# Altium PCB Radio.PcbDoc (part 2 of 3)
Units mil, origin at the board's own origin, x right, y up, seen from the top; angles counter-clockwise.
Board outline 3937.01 x 3937.01 mil, 2 copper layers (Top Layer, Bottom Layer); 220 components, 164 nets, 1023 pads, 256 vias.
Unrouted connection lines stored in the file: 24.
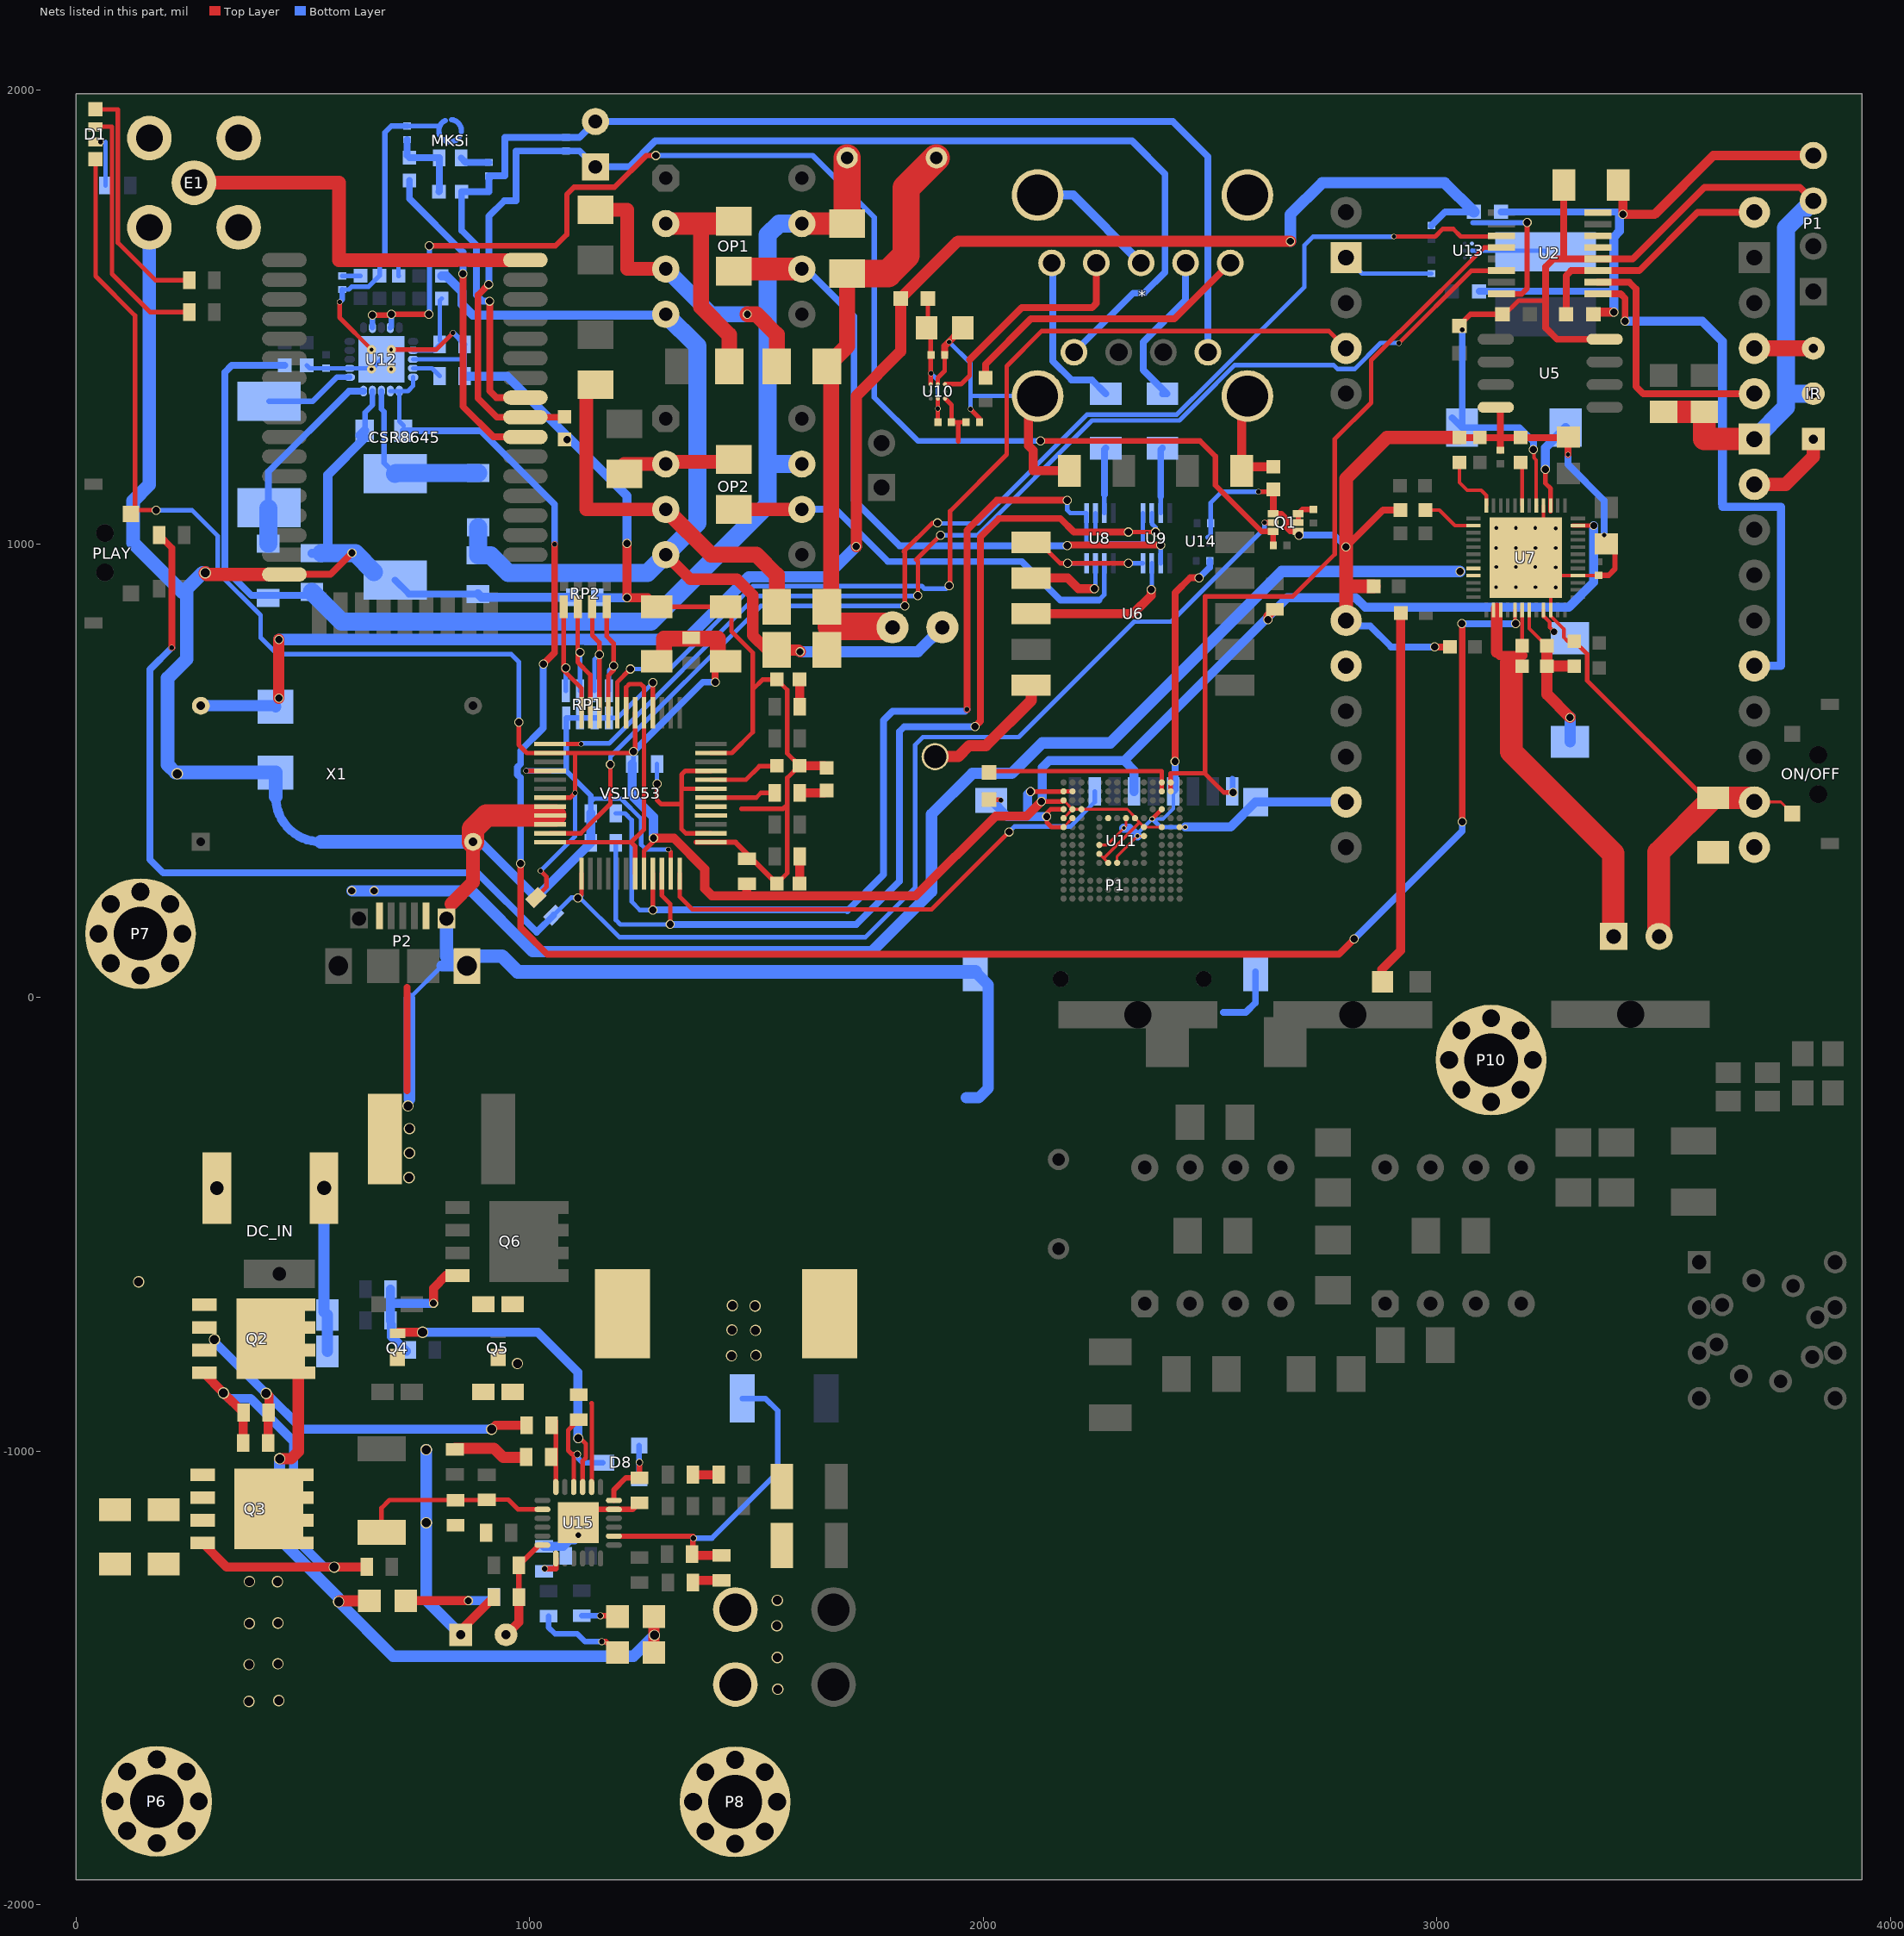
[diagram p2: the nets of this part, all layers, seen from the top]

## Via types
v1: diameter 20, hole 16, Top Layer to Bottom Layer, 113 vias
v2: diameter 25, hole 20, Top Layer to Bottom Layer, 58 vias
v3: diameter 12, hole 10, Top Layer to Bottom Layer, 35 vias
v4: diameter 19.68, hole 7.87, Top Layer to Bottom Layer, 20 vias
v5: diameter 15, hole 12, Top Layer to Bottom Layer, 13 vias
v6: diameter 12, hole 8, Top Layer to Bottom Layer, 6 vias
v7: diameter 16, hole 13, Top Layer to Bottom Layer, 3 vias
v8: diameter 20, hole 15, Top Layer to Bottom Layer, 3 vias
v9: diameter 22, hole 18, Top Layer to Bottom Layer, 1 vias
v10: diameter 14, hole 10, Top Layer to Bottom Layer, 1 vias
v11: diameter 16, hole 14, Top Layer to Bottom Layer, 1 vias
v12: diameter 18, hole 15, Top Layer to Bottom Layer, 1 vias
v13: diameter 78.74, hole 78.74, Top Layer to Bottom Layer, 1 vias

## Nets (pads, with @x,y where several pads share a name; then routed paths per layer and width w, separated by ;. In a path a pad name is that pad's centre, name@x,y a point inside that pad or via, vN(x,y) a via of type N, cw(c..) or ccw(c..) an arc to the next point about the centre after c; other vN are vias at no path point)
1V8: VS1053.5 VS1053.7 VS1053.24 VS1053.31 | length 706
  Top Layer w10: VS1053.24@1045.41,342.08 1223.92,342.08 ; VS1053.7@1212.74,627.52 1212.74,683.74 1220,691 1245,691 1252.11,683.89 VS1053.5@1252.11,627.52 1252.11,370.27 1223.92,342.08 ; VS1053.31@1232.42,273.19 1232.42,333.58 1223.92,342.08
3V3: C3.1 C4.1 C13.1 D1.1 P1.4@2332.55,454.31 PLAY.1 R9.1 R31.1 R32.2 R33.2 U7.11 U11.C6 U11.E6 U11.F5 U11.J10 U11.K9 U11.M4 U11.N4 U11.P3 U11.P5 VS1053.6 VS1053.14 VS1053.19 VS1053.32 | length 6910.4
  Top Layer w6: U11.P5@2177.05,395.21 U11.N4@2196.73,414.9 ; U11.P3@2177.05,434.58 U11.N4@2196.73,414.9 ; U11.K9@2255.79,316.47 2265.63,306.63 U11.J10@2275.47,296.79 ; U11.C6@2393.58,375.53 U11.E6@2354.21,375.53 2344.37,385.37 U11.F5@2334.53,395.21 2334.53,398 2317.63,414.9 U11.M4@2216.42,414.9 U11.N4@2196.73,414.9
  Top Layer w7: 2265.63,306.63 2344.37,385.37
  Top Layer w9: U7.11@3299,1040.21 U7.11@3310.98,1040.21 v12(3346,1040.21)
  Top Layer w10: D1.1@43.02,1847.61 43.02,1589.98 130,1503 130,1074.32 176.68,1074.32 v1(177,1074) ; v1(976,607) 976,557 994.07,538.93 VS1053.14@1045.41,538.93 1100,538.93 ; R33.2@1013.7,220.23 1037,243.52 1037,266 v3(1024,279) ; VS1053.19@1045.41,440.51 1089.51,440.51 v3(1100,451) 1100,538.93 ; VS1053.6@1232.42,627.52 1232.42,545.42 v1(1229.18,542.18) 1225.93,538.93 1100,538.93 ; VS1053.32@1252.11,273.19 1252.11,323.11 1273,344 v1(1273,351) ; 1479,224.92 1480,223.92 ; v1(2128,432) 2174.47,432 U11.P3@2177.05,434.58
  Top Layer w15: v1(1409,695) 1409,735 C4.1@1415,741
  Top Layer w20: v1(1273,351) 1318,351 1386,283 1386,240 1402.08,223.92 1480,223.92 1851.08,223.92 2027.17,400 2096,400 v1(2128,432) ; 1479,224.92 C13.1@1479,251 ; v1@2628,834 2628,841 R9.1@2643,856
  Top Layer w35: C3.1@1280,741 1296,757 1296,791.12 1415,791.12 C4.1@1415,741
  Bottom Layer w10: v1(177,1074) 256,1074 312.5,1017.5 312.5,937 407,842.5 407,793 443,757 959,757 976,740 v1(976,607) ; v3(1024,279) 1100,355 v3(1100,451) ; R31.1@1220.61,514.54 1229,522.93 v1@1229,542 ; v1@1225.93,538.93 v1@1229,542 ; v1(1229.18,542.18) v1@1229,542
  Bottom Layer w15: v1(1229.18,542.18) 1382,695 v1(1409,695)
  Bottom Layer w20: R31.1@1225.61,514.54 1225.61,445.39 1273,398 v1(1273,351) ; v1(2128,432) 2130,434 2130,507 2145,522 2311,522 ; P1.4@2332.55,454.31 2332.55,500.45 2311,522 ; v12(3346,1040.21) 3346,915 3291,860 2842.42,860 2820.92,881.5 2670.5,881.5 2311,522
  other v1: 2628,833
"3V3 ESP": C14.1 C15.1 IR.2 L5.2 P1.3@3830,1756 pad.11 pad.16 pad.25 R1.2 R2.2 R50.1 R51.1 U2.4 U5.8 U7.17 | length 2787.9
  Top Layer w8: v1(3213,1208) 3214,1207 3214,1190 3219.13,1184.87 3219.13,1084.82 U7.17@3219.45,1084.51
  Top Layer w10: R50.1@3145,1506 3150,1506 3180,1536 3240,1536
  Top Layer w12: R51.1@3049.58,1480.36 3048.58,1480.57 3074.02,1506 R50.1@3145,1506
  Top Layer w15: C14.1@3280,1791 3280,1627.77 ; U5.8@3370,1451 3265,1451 3240,1476 3240,1536 3240,1611 3256.77,1627.77 3280,1627.77 ; P1.3@3830,1756 3800,1786 3590,1786 3431.77,1627.77 U2.4@3355,1627.77 3280,1627.77
  Top Layer w50: R2.2@3500,1291 R1.2@3590,1291 3590,1231 pad.25@3700,1231
  Bottom Layer w15: L5.2@3033.83,1278 L5.2@3055.48,1256.35 ; v3(3056,1472) 3056,1256.87 L5.2@3055.48,1256.35 ; v1(3213,1208) 3213,1225 3181.65,1256.35 L5.2@3055.48,1256.35
  Bottom Layer w40: pad.25@3700,1231 3770,1301 3770,1331 ; IR.2@3830,1331 3770,1331 ; P1.3@3830,1756 3770,1696 3770,1331
+5: C17.2 C31.1 R3.2 R91.2 U2.16 U13.C2 X1.4 | length 4102.4
  Top Layer w12: U2.16@3142.4,1551 3187,1551 3199,1563 v1(3199,1708)
  Top Layer w25: v1(447,660) v1(447,789) ; v1(1720,994) 1720,1326 1818,1424 R91.2@1818,1541 1944.26,1667.26 2564.54,1667.26 2564.8,1667 v1(2677,1667)
  Bottom Layer w12: 3080,1708 v1(3199,1708)
  Bottom Layer w15: R3.2@2988.27,1701.49 3018.71,1731.92 C17.2@3081.51,1731.92
  Bottom Layer w25: X1.4@275.18,643 438,643 C31.1@440,641 ; v1(447,789) 1098.7,789 1099.2,789.5 1122.81,789.5 1123.31,789 1345.01,789 1483.51,927.5 1653.5,927.5 v1(1720,994) ; v1(2677,1667) 2677,1726 2747,1796 3017.43,1796 C17.2@3081.51,1731.92
+15V: C6.1 Cout1.1 D3.2 OP1.7 OP2.7 R60.1 RFT1.2 | length 2931.3
  Top Layer w50: OP1.7@1600,1706 1699.88,1706 R60.1@1700,1706.12
  Top Layer w60: R60.1@1700,1706.12 C6.1@1700,1851
  Bottom Layer w15: RFT1.2@460.14,1393.32 343.32,1393.32 328,1378 328,945 386.88,886.12 512.03,886.12 Cout1.1@520.02,894.11
  Bottom Layer w40: Cout1.1@520.02,894.11 585.53,828.6 1267.68,828.6 1525,1085.92 1525,1178.56 ; OP2.7@1600,1176 1527.56,1176 1525,1178.56 ; OP1.7@1600,1706 1550,1706 1525,1681 1525,1178.56
-15V: C5.2 Cout2.2 D4.1 OP1.4 OP2.4 R61.2 RFT2.2 | length 2416.5
  Top Layer w25: OP2.4@1300,976 1354,922 1457,922 1492,887 1492,798 1524,766 R61.2@1544.88,766 1593,766 v1@1596.93,762.07
  Bottom Layer w20: RFT2.2@806.22,1590.7 816.3,1590.7 851,1556 851,1528 875,1504 OP1.4@1298,1504
  Bottom Layer w25: OP1.4@1298,1504 OP1.4@1300,1506 ; v1@1596.93,762.07 1856.07,762.07 C5.2@1910,816
  Bottom Layer w40: D4.1@886.61,1036.53 886.2,1036.12 Cout2.2@886.2,974.62 913.98,974.62 952.72,935.88 1259.88,935.88 OP2.4@1300,976 1370,1046 1370,1436 OP1.4@1300,1506
  other v1: 1595.93,762.07
ADP: Cin1.1 U7.41 U12.15 U12.16 U12.17 | length 4344.7
  Top Layer w8: U7.41@3172.2,854.19 3172.2,825.8 v1(3174,824)
  Top Layer w15: v1(980,295) 980,154 1039,95 2784,95 v1(2818,129) ; v1(1030,735) 1055,760 v3(1055,999) ; v1(3055,824) 3056,823 v1(3056,387)
  Bottom Layer w10: U12.17@692.91,1336.77 U12.16@712.6,1336.77 ; Cin1.1@722.24,1260.35 712.6,1270 U12.16@712.6,1336.77 ; U12.15@743.11,1367.28 743.11,1348.32 731.55,1336.77 U12.16@712.6,1336.77
  Bottom Layer w15: Cin1.1@721.24,1249.35 892.65,1249.35 1055,1087 v3@1055,1000 ; v1(980,295) 980,484.42 972.94,491.49 972.94,507.64 980,514.71 980,544 1030,594 v1(1030,735) ; v1(2818,129) 3056,367 v1(3056,387) ; v1(3055,824) v1(3174,824)
ADP_EN: Q1.6 R80.1 U12.7 U12.9 | length 2970.8
  Top Layer w12: v1(653.54,1504.46) v1@695,1504.46 ; v1(695,1506) v1(778,1506) ; v1(779,1657) 1057,1657 1082,1682 1082,1770 1098,1786 1187,1786 1257,1856 v1(1278,1856) ; v1(2126,1227) 2478,1227 2512,1193 2512,1129 2613.74,1027.26 Q1.6@2639.39,1027.26 2639.39,996.9 R80.1@2639.66,996.63
  Bottom Layer w12: U12.7@653.54,1476.53 v1(653.54,1504.46) ; U12.9@692.91,1476.53 695,1478.62 v1(695,1506) ; v1(778,1506) 779.22,1507.22 779.22,1656 v1@779,1656.22 ; v1@1279.18,1856 1624,1856 1760,1720 1760,1323 1856,1227 v1(2126,1227)
ADPTER: C38.2 C39.2 Charge.1 DC_IN.1 Done.1 Power.1 Q2.5 | length 1965.9
  Top Layer w25: Q2.5@429.05,-752.46 490,-813.41 490,-1001 474,-1017 v2(449,-1017) ; v2(579,-1332) 581,-1330 Power.1@647,-1330 ; Charge.1@1274,-1444.12 Done.1@1274,-1365
  Bottom Layer w25: v2(449,-1017) 449,-1194.06 579,-1324.06 v2(579,-1332) 699,-1452 1229,-1452 v2(1275,-1406) ; DC_IN.1@546.61,-420.1 546.61,-692.61 C39.2@554,-700 C38.2@554,-780
AGND: *.1 *.10 *.11 *.12 *.13 C1.2 C2.2 C3.2 C4.2 C8.1 C13.2 C30.1 C32.1 C33.1 C34.1 C90.2 C91.2 Cc1.2 Cc2.2 CVREF.1 CVREG.2 MKSi.2 R30.2 R62.2 R75.2 R90.2 RFB1.1 Rslew.2 Rss.2 U6.6 U8.4 U9.4 U10.A2 U12.2 U12.13 U12.21 VS1053.37 VS1053.40 VS1053.41 VS1053.47 | length 5184.3
  Top Layer w10: v3(581,1533) 581,1498.88 v4(651.57,1428.3) ; v4(694.88,1428.3) 794.3,1428.3 v3(831,1465) ; C3.2@1280,861 C4.2@1432,861 1445,848 1445,807 1492,760 1492,679 ; VS1053.47@1399.75,538.93 1445.93,538.93 1492,585 1492,679 ; 1467,416 1559,416 1568,425 ; C33.1@1545.01,250.92 1568,273.91 1568,425 ; U10.A2@1900,1351.75 1900,1366 1914.96,1380.96 C90.2@1914.96,1416 ; v3(1972,1297) 1991.96,1277.04 R90.2@1991.96,1268 ; U6.6@2105.59,1003.48 2123.52,1003.48 2170,957 v1(2186,957) v1(2320,957) ; 1492,679 1514,701 C34.1@1545,701 1568,678 1568,538 C30.1@1595,511 1568,484 1568,425
  Top Layer w12: VS1053.37@1367,342.08 VS1053.37@1399.75,342.08 1453.84,342.08 C33.1@1545.01,250.92
  Top Layer w15: C90.2@1914.96,1416 1914.96,1435.96 C91.2@1955,1476
  Top Layer w20: v1(1215,1001) v1(1215,881) 1260,881 C3.2@1280,861 ; C30.1@1595,511 1650,511 C32.1@1655,506 ; *.10@2119.84,1325.92 2100,1306.08 2100,1216.23 2110,1206.23 2110,1161 C1.2@2190,1161 ; *.13@2582.44,1325.92 2570,1313.48 C2.2@2570,1161 2579,1170 R75.2@2639.65,1170
  Bottom Layer w10: RFB1.1@508.64,1393.32 515,1386.96 U12.2@603.35,1386.96 653.54,1386.96 U12.21@673.23,1406.65 ; Cc1.2@586.85,1560.73 601.73,1560.73 608,1567 645.19,1567 Rss.2@669.29,1591.1 669.29,1613.46 Cc2.2@680.92,1625.09 ; C8.1@730,1920.96 801.99,1920.96 MKSi.2@802.53,1920.45 ; U12.13@743.11,1406.65 855.73,1406.65 857.01,1405.37 ; CVREF.1@856.89,1439.68 857.01,1439.56 857.01,1405.37 ; CVREG.2@857.01,1369.68 857.01,1405.37 ; v3(1925,1445) 1972,1398 1972,1326 ; v3(1972,1297) 1972,1326 ; *.10@2119.84,1325.92 1972.08,1325.92 1972,1326 ; v1(2186,957) 2186.3,957.3 U8.4@2227.64,957.3 ; v1(2320,957) 2320.3,957.3 U9.4@2351.97,957.3
  Bottom Layer w12: v3(581,1533) 586.85,1538.85 Cc1.2@586.85,1560.73 ; Cc2.2@680.92,1625.09 680.92,1906.92 694.96,1920.96 C8.1@730,1920.96 ; v3(831,1465) 831.57,1465 CVREF.1@856.89,1439.68
  Bottom Layer w20: CVREG.2@857.01,1369.68 950.32,1369.68 1215,1105 v1(1215,1001) ; R30.2@1149.12,882 1150.12,881 v1(1215,881) ; *.11@2119.84,1768.83 2198.19,1768.83 *.1@2347.8,1619.23
  other v1: 1083,1230
  other v4: 651.57,1385 694.88,1385
ANT: E2.1 U6.10 | length 296.7
  Top Layer w25: E2.1@1894,531 1945,531 1969,555 2006,555 2105.59,654.59 U6.10@2105.59,688.52
AUX_N: *.6 R92.2 | length 662.1
  Top Layer w15: R92.2@2005,1366 2005,1396 2105,1496 2421.42,1496 *.6@2544.65,1619.23
AUX_P: *.9 U10.A3 | length 517.1
  Top Layer w10: U10.A3@1915.75,1351.75 1915.75,1352 1951,1352 1970,1371 1970,1406
  Top Layer w15: 1970,1406 2085,1521 2240,1521 2249.37,1530.37 *.9@2249.37,1619.23
AVDD: R31.2 VS1053.38 VS1053.43 VS1053.45 | length 458.8
  Top Layer w10: v1(1280.72,471) 1280.72,435.39 1290,426.12 1334.88,426.12 ; VS1053.38@1399.75,361.77 1344.23,361.77 1334.88,371.12 1334.88,426.12 ; VS1053.43@1399.75,460.19 1335,460.19 ; VS1053.45@1399.75,499.56 1343.56,499.56 1335,491 1335,460.19 ; 1334.88,426.12 1334.88,460.08 1335,460.19
  Bottom Layer w10: v1(1280.72,471) R31.2@1280.72,514.54
BAT: B1.1 C70.2 R72.1 U7.38 U7.39 U7.42 | length 923.8
  Top Layer w8: U7.42@3187.95,854.19 3187.95,788.22 R72.1@3189.83,786.35
  Top Layer w20: 3132.33,760.85 3138.83,754.35 3189.83,754.35
  Top Layer w25: 3131.96,857.96 3131.96,761.22 3132.33,760.85
  Top Layer w50: 3164,738 3164,542 3388.91,317.09 B1.1@3388.91,133.4
BT_L: OP1.6 R54.1 U9.2 | length 1466.9
  Top Layer w15: v1(2185,996) 2186.34,997.34 v1(2391.34,997.34)
  Top Layer w50: R54.1@1455,1606 OP1.6@1600,1606
  Bottom Layer w10: U9.2@2391.34,957.3 v1(2391.34,997.34)
  Bottom Layer w15: OP1.6@1600,1606 1610,1606 1715,1501 1715,1096.25 1815.53,995.72 2184.72,995.72 v1(2185,996)
BT_R: OP2.6 R57.1 U8.2 | length 974.2
  Top Layer w30: R57.1@1450,1075.88 1450,1076 OP2.6@1600,1076
  Bottom Layer w10: 2255,876 2267.01,888.01 U8.2@2267.01,957.3
  Bottom Layer w15: OP2.6@1600,1076 1675,1076 1790,961 2085,961 2170,876 2255,876
eMMC_CS: P1.9 U2.12 U11.B1 U11.B2 | length 1822.7
  Top Layer w10: U11.B2@2413.27,454.27 U11.B1@2413.27,473.95 2413.27,494.27 2488,494.27 ; v1(2551,452) 2530.27,452 2488,494.27 ; U2.12@3142.4,1653.36 3104.36,1653.36 2917,1466 2915.96,1466 2855,1405.04 2855,1311 2775,1231 2775,977 2682,884 2489,884 2489,495.27 2488,494.27
  Bottom Layer w10: P1.9@2549.09,454.31 2549.09,483.45 2551,481.54 v1(2551,452)
ESP_GIO2: pad.26 U2.2 | length 572.7
  Top Layer w15: U2.2@3355,1576.59 3424.41,1576.59 3438.94,1562.06 3438.94,1347.06 3455,1331 pad.26@3700,1331
ESP_GIO15: pad.20 U2.1 | length 1250.8
  Top Layer w15: U2.1@3355,1551 3405,1551 3415,1541 v1(3415,1491)
  Bottom Layer w18: 3630,1089 3630,1081.5 3759,1081.5 3759,731 pad.20@3700,731
  Bottom Layer w20: v1(3415,1491) 3585,1491 3630,1446 3630,1089
ESP_GIO16: pad.30 R5.2 U2.3 | length 558
  Top Layer w15: R5.2@3285,1506 3285,1591 3296.18,1602.18 U2.3@3355,1602.18 3446.18,1602.18 3575,1731 pad.30@3700,1731
FM_L: U6.8 U9.3 | length 353
  Top Layer w20: U6.8@2105.59,846 2330,846 2370,886 v1(2370,899.35)
  Bottom Layer w10: v1(2370,899.35) 2371.65,901 U9.3@2371.65,957.3
FM_R: U6.7 U8.3 | length 207.9
  Top Layer w20: U6.7@2105.59,924.74 2186.26,924.74 2210,901 v1(2245,901)
  Bottom Layer w10: v1(2245,901) 2247.32,901 U8.3@2247.32,957.3
GAIN: R90.1 R93.2 U10.C3 | length 132.2
  Top Layer w10: U10.C3@1915.75,1320.25 1929.96,1306.04 R93.2@1929.96,1268 1945,1268 ; 1945,1226 1945,1268 ; R90.1@1962.04,1268 1945,1268
GBUF: R36.1 VS1053.42 | length 144.6
  Top Layer w10: VS1053.42@1399.75,440.51 1499.51,440.51 1510,451 R36.1@1540,451
GND: B1.2 C11.1 C14.2 C15.2 C16.1 C17.1 C20.2 C21.2 C22.1 C23.1 C24.1 C25.1 C29.2 C31.2 C35.2 C36.2 C37.2 C38.1 C39.1 C40.1 C41.1 C72.1 C73.1 C74.1 C75.1 C76.2 C77.1 C78.1 C79.1 C80.1 Cin1.2 Cout1.2 Cout2.1 CSR8645.17 DC_IN.2 E1.2 IR.1 J3.1 L2.2 ON/OFF.1 P1.4@3830,1856 P1.6 P1.G1 P1.G2 P1.G3 P1.G4 P2.0@816.68,173.89 P2.0@861.96,69.56 P2.5 P6.1 P7.1 P8.1 P10.1 pad.2@2800,1631 pad.3@1453.46,-1514.68 pad.4@1453.46,-1349.32 pad.10 pad.14 pad.17 pad.24 Q1.1 Q1.4 Q5.S R4.1 R5.1 R6.1 R7.1 R8.1 R22.2 R23.2 R24.2 R29.1 R30.1 R63.2 R71.2 R73.1 R74.2 R75.1 R76.2 RP1.1 RP1.2 RP1.3 RP1.4 U2.5 U2.6 U2.8 U5.4 U7.4 U7.16 U7.46 U7.49 U11.A6 U11.C4 U11.E7 U11.G5 U11.H10 U11.J5 U11.K8 U11.N2 U11.N5 U11.P2 U11.P4 U11.P6 U12.19 U13.A2 U14.C1 U15.17 U15.25 VS1053.4 VS1053.16 VS1053.20 VS1053.21 VS1053.22 VS1053.35 X1.2 | length 16065.2
  Top Layer w6: U11.P6@2177.05,375.53 U11.N5@2196.73,395.21 ; U11.K8@2255.79,336.16 2272.74,336.16 v6(2310,373.42) 2314.84,378.26 U11.G5@2314.84,395.21 ; U11.H10@2295.16,296.79 2295.16,311.16 v6(2339.84,355.84) U11.E7@2354.21,355.84 ; U11.A6@2432.95,375.53 v6(2445.47,375.53) ; pad.17@3700,431 3758.36,431 ON/OFF.1@3783.68,405.68
  Top Layer w8: U7.16@3235.2,1084.51 3235.2,1008.72 v4(3217.48,991) U7.49@3195.83,969.35 3216.17,949 v4(3217,949) 3217,948.17 U7.49@3235.2,929.98 ; C72.1@3302.97,785.35 3288.65,785.35 3280,794 3280,812.01 3250.94,841.07 U7.46@3250.94,854.19 3250.94,914.23 U7.49@3235.2,929.98 ; R76.2@3356.83,930.73 3356.07,929.98 U7.4@3310.98,929.98 U7.49@3235.2,929.98
  Top Layer w10: v3(992.44,499.56) VS1053.16@1045.41,499.56 ; VS1053.4@1271.79,627.52 v1(1271.79,694.21) ; v3(1306,326) 1311.16,320.84 VS1053.35@1311.16,273.19 ; C11.1@2013,436 v3@2037,436 ; v1(2104,454) 2176.78,454 U11.P2@2177.05,454.27 U11.N2@2196.73,454.27 ; U11.P6@2177.05,375.53 2150.47,375.53 2140,386 v1(2140,399) 2140,406 2148.9,414.9 U11.P4@2177.05,414.9 ; v6(2372.34,393.66) U11.C4@2393.58,414.9 ; v3(2607,1115) 2634.65,1115 R75.1@2639.65,1120 ; C72.1@3302.97,785.35 3331.32,757 3331.32,698.68 3590,440 C15.2@3609,440
  Top Layer w12: U15.25@1107,-1158 1136.52,-1128.48 U15.17@1185.74,-1128.48 1227.52,-1128.48 C23.1@1242,-1114 ; Q1.4@2639.39,1066.63 2657.6,1066.63 2668.27,1055.96 2668.27,1035.29 2676.3,1027.26 Q1.1@2694.51,1027.26 ; R76.2@3356.83,930.73 3378.67,930.73 3392.68,944.74 3392.68,990.59 C77.1@3373.3,1009.97
  Top Layer w15: CSR8645.17@459.25,932.59 560.65,932.59 v1(608.23,980.17) ; 730,-206 730,22.21 ; v1(2423,520) 2423,892 2456,925 v1(2476,925) ; Q1.4@2639.39,1067.73 2639.65,1067.99 R75.1@2639.65,1120 ; v1(2800,993) 2881.51,1074.51 C73.1@2919.83,1074.51 ; v1(2995.19,772.81) R73.1@3028.79,772.81 ; C75.1@3049.83,1234.35 R71.2@3094.83,1234.35 3139.83,1234.35 ; U5.4@3130,1301 3139.83,1291.17 3139.83,1234.35 ; R74.2@3139.83,1206.31 3139.83,1234.35 ; v3(3289,1197) 3289,1234.17 3288.83,1234.35 C76.2@3184.83,1234.35 3139.83,1234.35
  Top Layer w20: J3.1@852,-1414 852,-1391 R29.1@921,-1322 ; R63.2@1360.12,-1290 1365,-1285.12 C29.2@1423,-1285.12 ; R22.2@1360.12,-1052 R23.2@1416.68,-1052 ; R5.1@3345,1506 3350,1511 v1(3390,1511) ; C14.2@3400,1791 3410,1781 v1(3410,1726) 3480,1726 3610,1856 P1.4@3830,1856
  Top Layer w25: C25.1@835,-996 835,-994 921.84,-994 941.84,-1014 985,-1014 C24.1@989,-1010
  Top Layer w30: v2(285,936) 288.41,932.59 CSR8645.17@459.25,932.59 ; 827,206 875.18,254.18 X1.2@875.18,343 ; pad.10@2800,831 2800,907 ; C74.1@2860.83,906.35 2800.65,906.35 2800,907 ; C75.1@3049.83,1234.35 2890.35,1234.35 2800,1144 v1(2800,993) 2800,907 ; pad.24@3700,1131 3768.9,1131 3830,1192.1 IR.1@3830,1231
  Top Layer w50: X1.2@875.18,343 875.18,371.18 905.14,401.14 VS1053.21@1045.41,401.14 VS1053.21@1056,401.14 ; B1.2@3488.91,133.4 3488.91,319.91 C15.2@3609,440 3691,440 pad.17@3700,431
  Bottom Layer w8: v6@2337.18,358.5 v6(2372.34,393.66) 2396.66,393.66 2419.16,416.16 P1.6@2419.16,454.31
  Bottom Layer w10: 735,-2 806.56,69.56 ; 1135,431 1142,438 1202,438 1246,394 1246,337 1257,326 v3(1306,326) ; RP1.1@1175,616 1193.58,616 v1(1271.79,694.21) ; v6@2373.5,392.5 2390.47,375.53 v6(2445.47,375.53) ; U14.C1@2494.89,1013.93 2501.43,1020.46 C80.1@2501.43,1045.52 2501.43,1090.43 2526,1115 v3(2607,1115) ; pad.2@2800,1631 2835.37,1595.63 R4.1@2988.29,1595.63
  Bottom Layer w12: Cin1.2@637.24,1234.24 637.24,1289.7 653.54,1306 U12.19@653.54,1336.77 ; v3(992.44,499.56) 1080.51,499.56 ; R6.1@1135,406 1135,431 1135,445.08 1080.51,499.56 ; RP1.1@1175,616 RP1.2@1143,616 RP1.3@1111.49,616 RP1.4@1080.51,616 1080.51,499.56
  Bottom Layer w15: L2.2@703.33,920.13 733.84,889.62 Cout2.1@886.2,889.62 ; P1.6@2419.16,454.31 2423,458.15 v1(2423,520) ; v1(2476,925) 2499.46,948.46 C79.1@2499.46,962.1 ; 2529.5,-33 2579,-33 2600.27,-11.73 P1.G2@2600.27,56.68 ; v1(2696,1019) 2774,1019 v1(2800,993) ; pad.10@2800,831 2812,819 2853,819 2899.19,772.81 v1(2995.19,772.81) ; C16.1@3093.3,1556.69 3387.69,1556.69 3390,1559 ; C17.1@3141.51,1731.92 3397.08,1731.92 v1@3403,1726 ; v3(3289,1197) 3289,1175 3369,1095 v3(3369,1019.22)
  Bottom Layer w20: 440,443 ccw(c540,443) 540,343 ; Cout1.2@520.02,979.11 541.22,979.11 555.08,992.97 555.08,1152.08 Cin1.2@637.24,1234.24 ; Cin1.2@625.89,1239 Cin1.2@636.24,1249.35 ; X1.2@875.18,343 891.54,343 R8.1@1014.11,220.44 1134.67,341 R7.1@1135,341 R6.1@1135,406 ; Cout2.1@886.2,889.62 893.82,882 R30.1@1094,882 ; C22.1@1032,-1210 1074,-1210 1088.31,-1195.69 1098.75,-1195.69 1105.78,-1188.66 1105.78,-1185 v5(1107.48,-1185) ; P1.G4@2017.59,434.63 2053.22,399 2098,399 ; v1(2104,454) 2098,448 2098,399 ; v1(2140,399) 2098,399 ; v6(2310,373.42) 2322.26,373.42 2337.18,358.5 v6(2339.84,355.84) ; v6(2445.47,375.53) 2545.1,375.53 P1.G1@2600.27,430.69 2600.58,431 pad.14@2800,431 ; v1(3390,1511) 3390,1559 3390,1676 3403,1689 3403,1726 v1(3410,1726)
  Bottom Layer w25: 735,-225 735,-2 ; v2(772,-997) v2(772,-1158) 772,-1329 J3.1@848,-1405 ; 806.56,69.56 P2.0@861.96,69.56 ; 1963,-221 1990,-221 2011,-200 2011,27.83 P1.G3@1982.16,56.68
  Bottom Layer w30: E1.2@161.57,1697.57 161.57,1130.57 126,1095 126,1002 235.5,892.5 244,901 ; v2(285,936) 279,936 244,901 ; 440,443 C31.2@440,496 219,496 202,513 202,704 244,746 244,901 ; 540,343 X1.2@875.18,343 ; P2.0@816.68,173.89 816.68,91 939.12,91 973.44,56.68 P1.G3@1982.16,56.68
  Bottom Layer w40: Cout1.2@541.22,979.11 615.89,979.11 L2.2@657,938
  other v2: 381,-1552 447,-1550 1547,-1525 381.34,-1470.66 445,-1469 1546,-1455 1545,-1385 382,-1380 445,-1379 1546,-1329 444,-1288 382.22,-1287.43 973,-807 138,-627 734,-397 735,-343 735,-289 732,-239 223,493
  other v3: 2039,435
  other v4: 3130.87,904.39 3174.17,904.39 3217.48,904.39 3262,904 3262,948 3131,949 3174,949 3130.87,991 3174.17,991 3262,991 3262,1034 3131,1035 3174,1035 3217,1035
GPIO0: R6.2 U8.5 U9.5 VS1053.33 | length 2400
  Top Layer w10: v1(1271.79,192.79) VS1053.33@1271.79,273.19
  Top Layer w15: v3(1964,635) 1964,1030 2030,1096 v1(2185,1096)
  Bottom Layer w10: R6.2@1190.12,406 1210,406 1225,391 1225,211 1243.21,192.79 v1(1271.79,192.79) ; v1(2185,1096) 2185,1074.86 2191.93,1067.93 U8.5@2227.64,1067.93 2227.64,1001 2351.97,1001 U9.5@2351.97,1067.93
  Bottom Layer w15: v1(1271.79,192.79) 1698.21,192.79 1700,191 1780,271 1780,611 1800,631 1960,631 v3(1964,635)
GPIO1: R7.2 U8.6 U9.6 VS1053.34 | length 2458.2
  Top Layer w10: VS1053.34@1291.48,273.19 1291.48,224.52 1310,206 v1(1310,161) ; v1(2320,1026) v1(2380,1026)
  Top Layer w15: v1(1982,597) 1994,609 1994,1015 2035,1056 2170,1056 2200,1026 v1(2320,1026)
  Bottom Layer w10: R7.2@1190.12,341 1190.12,170.88 1200,161 v1(1310,161) ; U8.6@2247.32,1067.93 2247.32,1026 v1(2320,1026) ; U9.6@2371.65,1067.93 2371.65,1044.35 2380,1036 v1(2380,1026)
  Bottom Layer w15: v1(1310,161) 1720,161 1815,256 1815,586 1826,597 v1(1982,597)
GPIO2: RP1.8 RP2.8 VS1053.9 | length 303.7
  Top Layer w10: RP2.8@1170,861 1170,796 1185,781 v1(1185,731) 1185,721 1173.37,709.37 VS1053.9@1173.37,627.52
  Bottom Layer w10: RP1.8@1175,676 1175,721 v1(1185,731)
GPIO3: RP1.7 RP2.7 VS1053.10 | length 324.4
  Top Layer w10: RP2.7@1138,861 1138,798 1153.68,782.32 v1(1153.68,756) VS1053.10@1153.68,627.52
  Bottom Layer w10: RP1.7@1143,676 1143,745.32 v1(1153.68,756)
GPIO5: Q1.5 R8.2 R42.2 VS1053.25 | length 3992.4
  Top Layer w10: v1(1106,219) 1114.31,227.31 VS1053.25@1114.31,273.19
  Top Layer w12: v3(2620.3,1046.94) 2635.77,1046.94 2637.58,1045.13 Q1.5@2639.39,1046.94
  Top Layer w15: R42.2@182.88,1019.22 211,991.1 v3(211,771)
  Bottom Layer w10: R8.2@1053.08,181.46 1091.95,220.33 v1@1110.2,220.33 ; v1@1114.31,224.45 v1@1110.2,220.33 ; v3(2620.3,1046.94) 2620.3,1034.57 2414.33,828.6 2332.6,828.6 2078,574 1867,574 1850,557 1850,242.61 1740.12,132.73 1197.8,132.73 v1@1110.2,220.33
  Bottom Layer w15: v3(211,771) 163,723 163,304 192,275 884.62,275 1015.62,144 R8.2@1053.08,181.46
GPIO6: RP1.6 RP2.6 VS1053.11 | length 337.2
  Top Layer w10: RP2.6@1106,861 v1@1106,766 ; v1(1111,761) v1@1106,766 ; VS1053.11@1134,627.52 1134,711 1106,739 v1@1106,766
  Bottom Layer w10: RP1.6@1111,676 v1(1111,761)
GPIO7: RP1.5 RP2.5 VS1053.12 | length 306.8
  Top Layer w10: RP2.5@1075,861 v1@1075,731 ; v1(1080,726) v1@1075,731 ; VS1053.12@1114.31,627.52 1114.31,681.69 1075,721 v1@1075,731
  Bottom Layer w10: RP1.5@1080,676 v1(1080,726)
IR_Remote: IR.3 pad.27 | length 130
  Top Layer w35: pad.27@3700,1431 IR.3@3830,1431
MIC1_BIA: CSR8645.34 R48.2 | length 712.5
  Top Layer w15: v1(853,1595) 853,1303 920.26,1235.74 CSR8645.34@990.75,1235.74
  Bottom Layer w15: R48.2@735,1801 735,1761 853,1643 v1(853,1595)
MIC1_N: *.4 C7.2 CSR8645.35 MK1.1 R62.1 | length 2792.9
  Top Layer w15: v1(910,1572) 886,1548 886,1321 927.95,1279.05 CSR8645.35@990.75,1279.05 1075.71,1279.05 R62.1@1076.88,1280.22
  Bottom Layer w15: v1(910,1572) 910,1722 944,1756 970,1756 970,1866.04 C7.2@1080,1866.04 1109.96,1866.04 MK1.1@1145,1831 1219.77,1831 1276.89,1888.12 2327.88,1888.12 2400.67,1815.33 2400.67,1598.88 2354.39,1552.61 2330.39,1552.61 *.4@2200.16,1422.38
MIC1_P: *.2 C7.1 C9.2 CSR8645.36 MK1.2 R49.2 | length 2802
  Top Layer w15: v1(912,1535) 912,1337 926.64,1322.36 CSR8645.36@990.75,1322.36
  Bottom Layer w15: v1(912,1535) 896,1535 883,1548 883,1658 850,1691 R49.2@850,1776 910,1776 C9.2@910,1811.04 945,1811.04 945,1895.96 C7.1@1080,1895.96 1109.96,1895.96 MK1.2@1145,1931 2418,1931 2495.43,1853.57 *.2@2495.43,1422.38
MICSi_BIA: C8.2 MKSi.3 R48.1 R49.1 | length 183.4
  Bottom Layer w10: R48.1@730,1856 R48.1@735,1851
  Bottom Layer w15: R48.1@730,1856 C8.2@730,1891.04 ; R48.1@735,1851 800.75,1851 MKSi.3@800.98,1850.76 800.98,1776.98 R49.1@800,1776
MP3_DREQ: pad.4@2800,1431 VS1053.8 | length 2224.9
  Top Layer w10: VS1053.8@1193.05,627.52 1193.05,695.05 v1(1222,724) ; v1(1925,908) 1927,910 1927,1072 2051.76,1196.76 2051.76,1391.76 2129,1469 2762,1469 pad.4@2800,1431
  Bottom Layer w10: v1(1222,724) 1309,724 1492,907 1864.7,907 1870.7,901 1918,901 v1(1925,908)
MP3_XCS: U2.11 VS1053.23 | length 2845.2
  Top Layer w10: VS1053.23@1045.41,361.77 1112.77,361.77 1178,427 v1(1178,514) ; v1(1827,863) 1827,981 1825,983 1888,1046 v1(1899,1046) ; v3@2905,1677 v3(2905.27,1677.49) 2996.49,1677.49 3013,1694 3036,1694 3052.51,1677.49 3140.94,1677.49 U2.11@3142.4,1678.95
  Bottom Layer w10: v1(1178,514) 1178,531 1510,863 v1(1827,863) ; v1(1899,1046) 1900,1045 1989,1045 2229,1285 2427,1285 2501.36,1359.36 2501.36,1359.51 2548.86,1407.01 2549.01,1407.01 2708,1566 2708,1658 2727,1677 v3@2905,1677
MP3_XDCS: U2.14 VS1053.13 | length 2592.5
  Top Layer w10: VS1053.13@1045.41,558.62 v3(1113.4,558.62) ; v1(1856,886) 1856,961.22 1852,965.22 v1(1906,1019.22) ; v1@1906,1019 1906.22,1019.22 v1(1906,1019.22) ; v1@1907,1020.22 v1(1906,1019.22) ; v3(2916.5,1442.5) 3076.18,1602.18 U2.14@3142.4,1602.18
  Bottom Layer w10: v3(1113.4,558.62) 1115.27,560.49 1115,560 1175,560 1500,885 1855,885 v1(1856,886) ; v1@1906,1019 1987,1019 2240,1272 2432.38,1272 2514.36,1353.97 2514.36,1354.12 2554.24,1394.01 2772.64,1394.01 2781.15,1385.5 2818.85,1385.5 2876.34,1442.99 2916.77,1442.99 v3(2916.5,1442.5)
MUTE_AMP: C90.1 C91.1 R91.1 R93.1 U10.A1 U10.C2 | length 319.2
  Top Layer w10: C91.1@1875,1476 1878,1479 R91.1@1878,1541 ; U10.A1@1884.25,1351.75 1884.25,1460.25 C91.1@1890,1466 ; U10.C2@1900,1320.25 v3(1900,1298) R93.1@1900.04,1268 R93.1@1900.04,1268
  Bottom Layer w10: v3(1885.04,1375.88) 1900,1360.92 v3(1900,1298)
Net*_7: *.7 C10.2 | length 358.4
  Bottom Layer w15: C10.2@2395,1331 2405,1331 2353,1383 2353,1445 2446.22,1538.22 *.7@2446.22,1619.23
Net*_8: *.8 C12.2 | length 365.2
  Bottom Layer w15: *.8@2150.94,1619.23 2153.13,1619.23 2153.13,1402.9 2194.43,1361.6 2239.4,1361.6 C12.2@2270,1331
NetC5_1: C5.1 C6.2 R58.2 R59.1 R60.2 R61.1 | length 1325.7
  Top Layer w35: 1665,818 1665,1381.12 R58.2@1655.12,1391 1700,1435.88 R60.2@1700,1595.88
  Top Layer w60: 1665,818 1798,818 C5.1@1800,816 ; R60.2@1700,1595.88 1789.88,1595.88 1830,1636 1830,1784.15 C6.2@1896.85,1851
NetC9_1: C9.1 MKSi.1 | length 65
  Bottom Layer w15: MKSi.1@849.02,1850.76 858.82,1840.96 C9.1@910,1840.96
NetC10_1: C10.1 U9.7 | length 144.6
  Bottom Layer w10: U9.7@2391.34,1067.93 2391.34,1104.66
  Bottom Layer w15: 2391.34,1104.66 2391.34,1207.34 C10.1@2395,1211
NetC11_2: C11.2 U11.C1 U11.C2 | length 426.6
  Top Layer w10: C11.2@2013,496 2016,499 2393.58,499 U11.C1@2393.58,473.95 U11.C2@2393.58,454.27
NetC12_1: C12.1 U8.7 | length 144.3
  Bottom Layer w10: U8.7@2267.01,1067.93 2267.01,1108.99
  Bottom Layer w15: 2267.01,1108.99 2267.01,1208.01 C12.1@2270,1211
NetC18_1: C18.1 C40.2 C41.2 Q2.1 Q3.1 R17.1 R18.2 | length 879.6
  Top Layer w20: v2(419,-873) 420.54,-873 425.54,-878 R17.1@425.54,-904 ; C18.1@423.46,-982 423.46,-915 R17.1@424.46,-915 ; v2(916,-952) 925,-943 R18.2@993.34,-943
  Bottom Layer w20: v2(305,-754) 305,-759 v2(419,-873) 420,-873 499,-952 v2(916,-952)
NetC18_2: C18.2 Q2.4 Q3.4 R16.2 R17.2 | length 1105.6
  Top Layer w20: Q3.4@278.94,-1202.46 332.49,-1256 v2(569,-1256) 640.34,-1256 R16.2@641.34,-1255 ; Q2.4@282.94,-827.46 280.95,-827.46 325,-871.51 v2(325,-872) R17.2@369.34,-915 368.34,-915 C18.2@368.34,-982
  Bottom Layer w20: v2(325,-872) 337,-884 385,-884 480,-979 480,-1189 547,-1256 v2(569,-1256)
NetC19_2: C19.2 C20.1 Q3.5 R15.2 U15.2 | length 425.3
  Top Layer w10: R15.2@673.46,-1179.52 673.46,-1125.54 691,-1108 C20.1@836.46,-1108 904.57,-1108 C19.2@905.46,-1107.12 953.12,-1107.12 974.47,-1128.47 U15.2@1028.26,-1128.47
NetC22_2: C22.2 U15.7 | length 47
  Top Layer w12: v5(1033.21,-1259.21) 1057.79,-1259.21 U15.7@1057.79,-1236.74
NetC23_2: C23.2 D8.1 D8.2 U15.18 | length 199.6
  Top Layer w12: U15.18@1185.74,-1108.79 1185.74,-1085.26 1212.12,-1058.88 C23.2@1242,-1058.88 v7(1242,-1025)
  Bottom Layer w12: D8.2@1241.28,-1062.75 D8.1@1241.28,-987.76
NetC24_2: C24.2 R18.1 U15.24 | length 145.5
  Top Layer w10: U15.24@1057.79,-1079.26 R18.1@1057.79,-933.79
NetC26_2: C26.2 Q6.4 R44.1 R45.2 | length 333.3
  Top Layer w20: v8(788,-674) 788,-641 787.95,-641 815.94,-613 Q6.4@840.94,-613
  Bottom Layer w20: R45.2@693.12,-712 693.12,-674 ; C26.2@693.12,-643 693.12,-674 ; R45.2@694.88,-722.12 694.88,-747.1 R44.1@727.96,-780.17 ; v8(788,-674) 693.12,-674
NetC27_1: C27.1 L4.1 Q4.S Q5.D U15.20 | length 185.2
  Top Layer w10: U15.20@1136.53,-1079.26 1137,-1078.79 1137,-894.94 1136.53,-894.47
NetC27_2: C27.2 D8.3 U15.22 | length 244.9
  Top Layer w10: U15.22@1097.16,-1079.26 1097.16,-1010.84 v7@1101,-1007 ; v7(1105,-1007) v7@1101,-1007 ; C27.2@1108,-931.12 1085,-954.12 1085,-998.68 1093.32,-1007 v7@1101,-1007
  Bottom Layer w12: v7(1105,-1007) 1105,-1007.84 1102,-1010.84 1116.91,-1025.75 D8.3@1161.28,-1025.75
NetC28_2: C28.2 C29.1 L4.2 R46.2 U15.14 | length 751.7
  Top Layer w12: U15.14@1185.74,-1187.53 1360,-1187.53 1360.12,-1187.65 C28.2@1360.12,-1227
  Top Layer w20: C28.2@1358.12,-1227 1361.12,-1230 C29.1@1423,-1230
  Bottom Layer w12: v5(1361,-1192) 1402,-1192 1547,-1047 1547,-911 1520,-884 R46.2@1468.48,-884
  other v2: 1445,-790 1499,-789 1498,-734 1446,-733 1497,-680 1447,-679
NetC30_2: C30.2 VS1053.44 | length 158.1
  Top Layer w10: VS1053.44@1399.75,479.88 1476.63,479.88 1506.38,509.62 1543.62,509.62 C30.2@1545,511
NetC32_2: C32.2 R36.2 | length 62
  Top Layer w20: R36.2@1595.12,451 1650,451 C32.2@1655,456
NetC33_2: C33.2 R37.2 | length 60.1
  Top Layer w20: C33.2@1595.01,250.92 1595.12,251.02 R37.2@1595.12,311
NetC34_2: C34.2 R38.2 | length 60
  Top Layer w20: C34.2@1595,701 1595,641.12 R38.2@1595.12,641
NetC70_1: C70.1 C72.2 L1.1 R72.2 U7.43 | length 388.9
  Top Layer w8: U7.43@3203.7,854.19 3203.7,813.47 3241.83,775.35 R72.2@3242.83,775.35
  Top Layer w25: R72.2@3242.83,775.35 C70.1@3242.83,730.35 ; v1(3293.83,617.35) 3242.83,668.35 C70.1@3242.83,730.35 ; C72.2@3302.97,730.35 C70.1@3242.83,730.35
  Bottom Layer w25: L1.1@3293.83,563.35 v1(3293.83,617.35)
NetC73_2: C73.2 U7.26 | length 120
  Top Layer w8: C73.2@2974.83,1074.51 3005.67,1074.51 3039.96,1040.21 U7.26@3080.67,1040.21
NetC75_2: C75.2 U7.24 | length 137.6
  Top Layer w8: C75.2@3049.83,1179.35 3049.83,1135.35 3066.83,1118.35 3097.83,1118.35 3109.21,1106.96 U7.24@3109.21,1084.51
NetC76_1: C76.1 U7.19 | length 101.1
  Top Layer w8: C76.1@3184.83,1184.35 3187.95,1181.22 U7.19@3187.95,1084.51
NetCc1_1: Cc1.1 RC1.2 | length 40.3
  Bottom Layer w10: Cc1.1@586.85,1590.66 626.55,1590.66 RC1.2@627.01,1591.12
NetCc2_1: Cc2.1 RC2.2 | length 34.5
  Bottom Layer w10: Cc2.1@710.85,1625.09 710.85,1591 RC2.2@711.14,1590.7
NetCVREF_2: CVREF.2 RFB2.1 U12.12 | length 170.6
  Bottom Layer w10: U12.12@743.11,1426.33 788.42,1426.33 CVREF.2@801.77,1439.68 806.22,1444.13 802,1448.35 802,1536.48 RFB2.1@806.22,1540.7
NetCVREG_1: CVREG.1 U12.14 | length 65.9
  Bottom Layer w10: U12.14@743.11,1386.96 784.61,1386.96 CVREG.1@801.89,1369.68
NetD1_2: D1.2 R43.2 | length 106.9
  Bottom Layer w10: v10(54,1886) 64.88,1886 R43.2@64.88,1790
NetD1_3: D1.3 R41.2 | length 566.2
  Top Layer w10: D1.3@43.02,1919.46 79.15,1919.46 79.15,1594.85 163,1511 R41.2@249.88,1511
NetD1_4: D1.4 R40.2 | length 524.2
  Top Layer w10: D1.4@54.02,1957.85 92.15,1957.85 92.15,1663.85 175,1581 R40.2@249.88,1581
NetD3_1: D3.1 L3.2 U12.20 | length 441.9
  Bottom Layer w15: L3.2@423.74,1078.3 423.74,1158.66 601.84,1336.77 U12.20@633.86,1336.77
  Bottom Layer w40: D3.1@423.74,1000.66 L3.2@423.74,1078.3
NetD4_2: D4.2 L2.1 U12.18 | length 379
  Bottom Layer w12: U12.18@673.23,1336.77 673.23,1297.06 679.09,1291.2 679.09,1178.62 L2.1@703.33,1154.39
  Bottom Layer w40: L2.1@703.33,1154.39 705.47,1156.53 D4.2@886.61,1156.53
NetD5_2: Charge.2 R25.1 | length 196.6
  Top Layer w12: v5(1159,-1420) 1168.12,-1420 1193.12,-1445 Charge.2@1194,-1444.12
  Bottom Layer w12: R25.1@1042,-1364 1042,-1389 1056,-1403 1105,-1403 1122,-1420 v5@1155,-1420
NetD6_2: Done.2 R26.1 | length 79.8
  Top Layer w12: v5(1156,-1363) 1192,-1363 Done.2@1194,-1365
  Bottom Layer w12: R26.1@1115,-1363 v5(1156,-1363)
NetD7_2: Power.2 R27.1 | length 197.4
  Top Layer w20: Power.2@727,-1330 v8(865,-1330)
  Bottom Layer w20: v8(865,-1330) 912.74,-1330 R27.1@921,-1321.74
NetE1_1: CSR8645.43 E1.1 | length 901.6
  Top Layer w30: E1.1@260,1796 580,1796 580,1625.51 839.67,1625.51 840.16,1626 865.84,1626 866.33,1625.51 CSR8645.43@990.75,1625.51
NetJ3_2: J3.2 R28.1 R29.2 U15.6 | length 235.5
  Top Layer w12: R29.2@976.12,-1322 976,-1321.88 R28.1@976,-1252 1020.79,-1207.21 U15.6@1028.26,-1207.21
  Top Layer w20: J3.2@948,-1405 976.12,-1376.88 R29.2@976.12,-1322
NetL1_2: L1.2 U7.45 | length 58.5
  Top Layer w8: U7.45@3235.2,854.19 3235.2,839.35 3237.11,839.35 3248.83,827.63 3248.83,815.79 v11(3258.27,806.35)
NetL3_1: L3.1 U12.1 | length 200.2
  Bottom Layer w12: L3.1@425.2,1314.01 521.79,1314.01 575.06,1367.28 U12.1@603.35,1367.28
NetL5_1: L5.1 U7.15 | length 207.8
  Top Layer w10: v1(3239.13,1163.93) 3239.13,1133.72 3250.94,1121.91 U7.15@3250.94,1084.51 U7.15@3250.94,1072
  Bottom Layer w20: v1(3239.13,1163.93) 3239.13,1211.65 L5.1@3283.83,1256.35
NetL6_2: L6.2 U13.B2 | length 163.3
  Bottom Layer w9: U13.B2@3077.41,1646.27 3237.11,1646.27 L6.2@3239.69,1643.7
NetON1_C: ON.C R70.1 | length 836.7
  Top Layer w20: ON.C@2878.42,28 2878.42,61.42 2920.54,103.54 R70.1@2920.54,847.27
NetOP1_2: OP1.2 R52.1 R54.2 | length 495.8
  Top Layer w35: 1377.91,1706 1377.91,1522.5 1440.12,1460.29 R52.1@1440.12,1391
  Top Layer w50: OP1.2@1300,1706 1377.91,1706 R54.2@1455,1706
NetOP1_3: OP1.3 R53.1 R58.1 | length 660.1
  Top Layer w30: R53.1@1145,1736.12 1215,1736.12 1215,1606 OP1.3@1300,1606
  Top Layer w35: v1(1480,1506) 1500,1506 1544.88,1461.12 R58.1@1544.88,1391
  Bottom Layer w35: OP1.3@1300,1606 1400,1506 v1(1480,1506)
NetOP2_2: OP2.2 R55.1 R57.2 | length 289.5
  Top Layer w30: R55.1@1208.54,1154.42 1208.54,1176 OP2.2@1300,1176 ; R57.2@1450,1181 OP2.2@1305,1181 ; OP2.2@1300,1176 cw(c1305,1176) OP2.2@1305,1181 ; OP2.2@1300,1176 cw(c1305,1176) OP2.2@1305,1181 ; OP2.2@1300,1176 cw(c1305,1176) OP2.2@1305,1181 ; OP2.2@1300,1176 cw(c1305,1176) OP2.2@1305,1181
NetOP2_3: OP2.3 R56.1 R59.2 | length 818.2
  Top Layer w30: R56.1@1145,1350.88 1125,1330.88 1125,1076 OP2.3@1285,1076
  Top Layer w35: OP2.3@1300,1076 1400,976 1500,976 1544.88,931.12 R59.2@1544.88,861
NetP1_2: P1.2@2245.94,454.31 VS1053.36 | length 1099.3
  Top Layer w10: VS1053.36@1330.85,273.19 1330.85,222.15 1359,194 1886,194 v1(2057,365)
  Bottom Layer w10: v1(2057,365) 2069,377 2191.96,377 2245.94,430.98 P1.2@2245.94,454.31
NetP2_1: P2.1 U7.32 U7.33 | length 2945.8
  Bottom Layer w25: v1(608,235) 872,235 1006,101 1754,101 1886,233 1886,404 1976,494 2063,494 2130,561 2280,561 2658,939 v1(3051,939)
  other v1: 657,235
NetQ1_2: Q1.2 Q1.3 R79.1 | length 56.8
  Top Layer w12: Q1.2@2694.51,1046.94 Q1.3@2694.51,1066.63 2703.59,1075.71 R79.1@2727.87,1075.71
NetQ4_G: Q4.G U15.21 | length 703.1
  Top Layer w10: v9(1107,-972) 1112,-972 1124,-984 1124,-1014.87 1116.84,-1022.03 U15.21@1116.84,-1079.26
  Top Layer w20: Q4.G@709,-740.44 711.44,-738 v2(764,-738)
  Bottom Layer w20: v2(764,-738) 1018,-738 1106,-826 1106,-973 v9(1107,-972)